# Altium PCB MAINBOARD_PCB.PcbDoc (part 3 of 5)
Units mm, origin at the board's own origin, x right, y up, seen from the top; angles counter-clockwise.
Board outline 480.55 x 38.8 mm, 4 copper layers (Top Layer, Int1 (GND), Int2 (PWR), Bottom Layer), stack 1.547 mm thick; 399 components, 366 nets, 1333 pads, 1063 vias.
Unrouted connection lines stored in the file: 46.
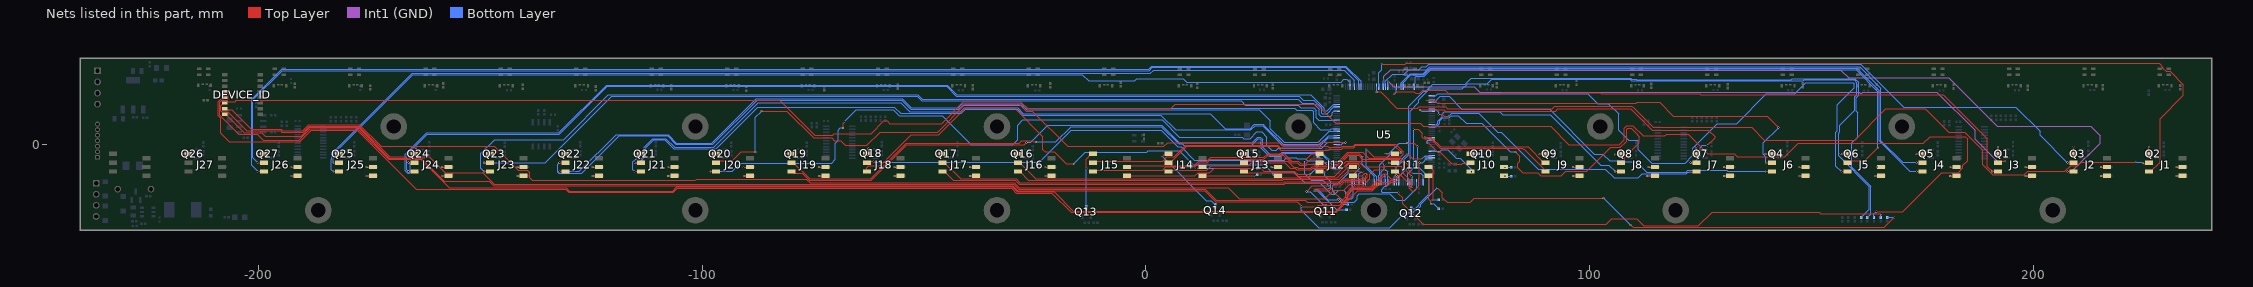
[diagram p5: the nets of this part, all layers, seen from the top]

## Via types
v1: diameter 0.4, hole 0.2, Top Layer to Bottom Layer, tented both sides, 1063 vias

## Nets (pads, with @x,y where several pads share a name; then routed paths per layer and width w, separated by ;. In a path a pad name is that pad's centre, name@x,y a point inside that pad or via, vN(x,y) a via of type N, cw(c..) or ccw(c..) an arc to the next point about the centre after c; other vN are vias at no path point) (continued)
NetDEVICE_ID_4: DEVICE_ID.4 R142.2 U5.48 | length 446
  Top Layer w0.15: DEVICE_ID.4@-207.706,11.833 -207.452,11.833 -206.871,11.252 -206.871,10.099 -207.096,9.874 -208.424,9.874 -208.841,9.457 -208.841,6.589 -204.527,2.275 -200.418,2.275 -199.042,0.9 -190.962,0.9 -188.362,3.5 -177.688,3.5 -170.758,-3.43 -163.466,-3.43 -157.071,-9.825 -130.747,-9.825 -130.022,-10.55 -106.7,-10.55 -105.77,-9.62 -30.179,-9.62 -29.074,-10.725 -20.725,-10.725 -16.375,-15.075 42.759,-15.075 45.619,-12.215 45.619,-11.33 46.766,-10.182 50.973,-10.182 52.57,-8.585 54.858,-8.585 55.318,-8.125 56.125,-8.125 v1(56.85,-7.4)
  Bottom Layer w0.2: U5.48@56.994,-8.519 56.994,-7.544 v1(56.85,-7.4) 59.525,-4.725 59.525,7.432 61.528,9.435 61.528,10.023 63.995,12.49 71.343,12.49 72.528,13.675 76.191,13.675 76.975,13.675 77.925,14.625 109.139,14.625 109.414,14.35 110.435,14.35 110.485,14.3 148.177,14.3 148.378,14.501 159.672,14.501 160.258,13.915 160.258,11.13 159.794,10.666 159.794,7.659 156.444,4.309 156.444,2.816 156.144,2.516 156.144,-2.603 163.094,-9.553 163.094,-14.6 161.219,-16.475 R142.2@161.219,-16.5
NetDEVICE_ID_5: DEVICE_ID.5 R141.2 U5.49 | length 446.1
  Top Layer w0.2: DEVICE_ID.5@-207.706,10.563 -207.987,10.282 -208.44,10.282 -209.141,9.581 -209.141,6.465 -208.55,5.874 -208.55,2.525 -206.625,0.6 -190.838,0.6 -188.238,3.2 -177.812,3.2 -164.487,-10.125 -130.871,-10.125 -130.146,-10.85 -106.576,-10.85 -105.646,-9.92 -30.303,-9.92 -29.198,-11.025 -21.225,-11.025 -16.875,-15.375 42.927,-15.375 47.777,-10.525 51.054,-10.525 52.694,-8.885 54.983,-8.885 55.318,-8.55 56.266,-8.55 57.25,-7.566 57.25,-7.234 57.016,-7 56.466,-7 v1(56.45,-7.016)
  Bottom Layer w0.2: U5.49@56.494,-8.519 56.454,-8.479 56.454,-7.704 56.45,-7.7 v1(56.45,-7.016) 56.45,-5.191 59.225,-2.416 59.225,8.613 62.575,11.963 63.043,11.963 64.656,13.575 72.004,13.575 73.354,14.925 109.264,14.925 109.539,14.65 110.559,14.65 110.609,14.6 145.497,14.6 145.698,14.801 159.802,14.801 160.633,13.97 160.633,11.081 160.094,10.542 160.094,7.466 160.444,7.116 160.444,1.601 159.161,0.318 159.161,-5.196 163.394,-9.429 163.394,-15.725 162.644,-16.475 R141.2@162.644,-16.5
NetDEVICE_ID_6: DEVICE_ID.6 R140.2 U5.50 | length 727.4
  Top Layer w0.2: v1(55.953,-7.225) 55.953,-7.491 55.618,-7.825 55.185,-7.825 54.009,-6.65 53.656,-6.65 50.681,-9.625 46.525,-9.625 45.601,-10.55 45.002,-11.149 45.002,-11.864 43.791,-13.075 36.405,-13.075 35.955,-12.625 15.884,-12.625 13.385,-10.125 -28.697,-10.125 -29.802,-9.02 -146.927,-9.02 -149.517,-6.43 -157.967,-6.43 -161.567,-2.83 -170.51,-2.83 -177.439,4.1 -188.61,4.1 -189.96,2.75 -194.816,2.75 -195.116,3.05 -202.704,3.05 -206.988,7.334 -208.316,7.334 -208.541,7.559 -208.541,8.712 -207.96,9.293 DEVICE_ID.6@-207.706,9.293 -207.425,9.574 -205.373,9.574 -205.073,9.874 -82.55,9.874 -74.701,2.025 -70.665,2.025 -70.34,2.35 -61.993,2.35 -59.073,5.271 -58.327,5.271 -57.719,4.663 -46.08,4.663 -41.167,9.575 -28.296,9.575 -26.796,8.075 5.654,8.075 6.649,9.07 38.44,9.07 42.784,4.725 61.818,4.725 62.518,4.025 91.209,4.025 95.359,-0.125 106.676,-0.125 107.769,0.967 107.769,3.639 108.355,4.225 109.78,4.225 112.117,1.888 116.979,1.888 117.391,2.3 122.253,2.3 126.653,-2.1 132.609,-2.1 133.33,-2.82 144.009,-2.82 147.029,0.2 175.201,0.2 176.751,1.75 184.717,1.75 185.252,1.216 185.252,-3.661 184.165,-4.748 184.165,-5.343 183.079,-6.43 179.408,-6.43 170.663,-15.175 v1(164.644,-15.175)
  Bottom Layer w0.2: U5.50@55.994,-8.519 v1@55.994,-7.295 ; R140.2@164.119,-16.5 164.119,-15.7 v1(164.644,-15.175)
NetDEVICE_ID_7: DEVICE_ID.7 R139.2 U5.53 | length 401.8
  Top Layer w0.2: DEVICE_ID.7@-207.706,8.023 -207.425,7.742 -206.142,7.742 -201.75,3.35 -194.992,3.35 -194.692,3.05 -190.085,3.05 -188.735,4.4 -177.315,4.4 -172.44,-0.475 -146.922,-0.475 -141.577,-5.82 -139.497,-5.82 -138.894,-6.423 -138.894,-7.578 -138.352,-8.12 -101.586,-8.12 -101.316,-7.85 -76.613,-7.85 -75.743,-8.72 -29.678,-8.72 -28.573,-9.825 18.526,-9.825 21.026,-12.325 40.337,-12.325 42.287,-10.375 44.591,-10.375 45.945,-9.02 49.221,-9.02 50.494,-7.747 50.494,-6.756 51.525,-5.725 v1(54.075,-5.725) ; v1@56.925,-10.85 56.925,-11.182 57.85,-12.107 57.85,-13.406 62.519,-18.075 103.758,-18.075 105.008,-16.825 110.656,-16.825 112.206,-18.375 124.528,-18.375 127.603,-15.3 151.759,-15.3 152.109,-15.65 v1(165.869,-15.65)
  Bottom Layer w0.15: v1(54.075,-5.725) 54.494,-6.144 U5.53@54.494,-8.519 54.494,-9.145 54.168,-9.471 53.836,-9.471 53.094,-10.213 53.094,-10.718 53.201,-10.825 v1(56.925,-10.825) ; R139.2@165.619,-16.5 165.673,-16.446 165.673,-15.9 165.869,-15.704 v1(165.869,-15.65)
NetDEVICE_ID_8: DEVICE_ID.8 R138.2 U5.54 | length 424.8
  Top Layer w0.15: DEVICE_ID.8@-207.706,6.753 -207.452,6.753 -203.274,2.575 -199.358,2.575 -198.608,1.825 -190.461,1.825 -188.486,3.8 -177.564,3.8 -170.634,-3.13 -163.342,-3.13 -158.186,-8.286 -148.085,-8.286 -147.051,-9.32 -30.055,-9.32 -28.95,-10.425 13.261,-10.425 15.76,-12.925 34.084,-12.925 35.002,-13.842 v1(35.002,-14.051) 38.524,-14.051 38.841,-13.734 43.675,-13.734 45.319,-12.091 45.319,-11.256 45.7,-10.875 46.65,-9.925 50.806,-9.925 53.681,-7.05 v1(53.844,-7.05) ; v1(65.686,-9.786) 66.801,-10.901 66.801,-12.023 67.878,-13.1 73.054,-13.1 74.027,-12.127 v1(103.152,-12.127) v1@103.2,-12.175 ; v1(109.225,-18.175) 109.8,-18.75 166.441,-18.75 v1(168.691,-16.5)
  Bottom Layer w0.2: v1(35.002,-14.051) 35.002,-14.908 38.904,-18.81 54.945,-18.81 58.369,-15.386 59.322,-15.386 59.413,-15.477 60.148,-15.477 60.75,-14.875 61.022,-14.875 61.925,-13.972 61.925,-13.547 v1(65.686,-9.786) ; v1(53.844,-7.05) 53.844,-7.104 53.994,-7.254 U5.54@53.994,-8.519 ; v1(103.152,-12.127) v1@109.137,-18.112 ; R138.2@167.069,-16.5 v1(168.691,-16.5)
NetJ1_1: J1.1 Q2.3 | length 3.1
  Top Layer w0.2: J1.1@226.104,-2.125 v1(226.104,-0.565)
  Bottom Layer w0.2: Q2.3@226.104,-2.125 v1(226.104,-0.565)
NetJ1_3: J1.3 U5.123 | length 192.8
  Top Layer w0.2: v1(51.994,11.8) 52.884,11.8 56.534,8.15 61.229,8.15 61.504,8.425 67.528,8.425 67.903,8.05 91.624,8.05 92.199,8.625 109.526,8.625 110.076,8.075 110.086,8.075 114.348,3.812 136.56,3.812 139.423,0.95 159.743,0.95 166.817,8.023 175.655,8.023 180.953,2.725 184.591,2.725 188.694,-1.378 188.694,-4.641 190.878,-6.825 198.028,-6.825 198.733,-6.12 207.183,-6.12 208.483,-4.82 210.088,-4.82 210.884,-4.025 v1@223.05,-4.025 ; v1(224.7,-4.2) 224.754,-4.2 224.929,-4.375 225.854,-4.375 J1.3@226.104,-4.125
  Bottom Layer w0.2: v1(51.994,11.8) U5.123@51.994,12.919 ; v1(223.125,-4) 224.446,-4 224.646,-4.2 v1(224.7,-4.2)
NetJ1_4: J1.4 R1.1 | length 2.8
  Top Layer w0.2: v1(232.294,-5.125) J1.4@233.704,-5.125
  Bottom Layer w0.2: v1(232.294,-5.125) R1.1@233.704,-5.125
NetJ1_5: J1.5 U5.124 | length 211.4
  Top Layer w0.2: v1(53.15,18.075) 58.428,18.075 58.628,18.275 228.383,18.275 229.275,17.383 229.275,17.175 230,16.45 230.908,16.45 233.9,13.458 233.9,11 228.625,5.725 228.625,-4.01 226.51,-6.125 J1.5@226.104,-6.125
  Bottom Layer w0.2: U5.124@52.494,12.919 52.494,16.144 53.15,16.8 v1(53.15,18.075)
NetJ1_6: J1.6 R4.1 | length 2.8
  Top Layer w0.2: v1(232.294,-7.125) J1.6@233.704,-7.125
  Bottom Layer w0.2: v1(232.294,-7.125) R4.1@233.704,-7.125
NetJ2_1: J2.1 Q3.3 | length 3.1
  Top Layer w0.2: J2.1@209.104,-2.125 v1(209.104,-0.565)
  Bottom Layer w0.2: Q3.3@209.104,-2.125 v1(209.104,-0.565)
NetJ2_3: J2.3 U5.127 | length 167.6
  Top Layer w0.2: v1(207.744,-4.125) J2.3@209.104,-4.125
  Bottom Layer w0.2: U5.127@53.994,12.919 53.994,14.184 55.609,15.8 58.183,15.8 59.208,16.825 60.027,16.825 60.052,16.851 61.544,16.851 62.168,17.475 63.187,17.475 63.737,18.026 161.131,18.026 170.782,8.375 196.075,8.375 201.553,2.897 201.553,2.066 v1(207.744,-4.125)
NetJ2_4: J2.4 R2.1 | length 2.8
  Top Layer w0.2: v1(215.294,-5.125) J2.4@216.704,-5.125
  Bottom Layer w0.2: v1(215.294,-5.125) R2.1@216.704,-5.125
NetJ2_5: J2.5 U5.126 | length 183.8
  Top Layer w0.2: v1(207.744,-6.125) J2.5@209.104,-6.125
  Int1 (GND) w0.2: v1(53.594,14.475) 53.594,15.294 55.126,16.826 75.149,16.826 75.3,16.675 94.152,16.675 94.209,16.733 156.621,16.733 158.379,14.975 180.95,14.975 191.9,4.025 213,4.025 215.1,1.925 215.1,0.281 208.694,-6.125 v1(207.744,-6.125)
  Bottom Layer w0.2: U5.126@53.494,12.919 53.494,14.321 53.594,14.421 v1(53.594,14.475)
NetJ2_6: J2.6 R6.1 | length 2.8
  Top Layer w0.2: v1(215.294,-7.125) J2.6@216.704,-7.125
  Bottom Layer w0.2: v1(215.294,-7.125) R6.1@216.704,-7.125
NetJ3_1: J3.1 Q1.3 | length 3.1
  Top Layer w0.2: J3.1@192.104,-2.125 v1(192.104,-0.565)
  Bottom Layer w0.2: Q1.3@192.104,-2.125 v1(192.104,-0.565)
NetJ3_3: J3.3 U5.128 | length 151.2
  Top Layer w0.2: J3.3@192.104,-4.125 192.51,-4.125 192.906,-3.73 192.906,-3.85 v1(193.675,-3.85)
  Int1 (GND) w0.2: v1(54.575,14.2) 55.807,12.968 74.007,12.968 75.2,11.775 160.75,11.775 160.75,11.734 160.984,11.5 161.316,11.5 161.55,11.734 161.55,11.775 178.275,11.775 186.925,3.125 186.925,1.131 191.906,-3.85 v1(193.675,-3.85)
  Bottom Layer w0.2: U5.128@54.494,12.919 54.494,14.119 v1(54.575,14.2)
NetJ3_4: J3.4 R3.1 | length 2.8
  Top Layer w0.2: v1(198.294,-5.125) J3.4@199.704,-5.125
  Bottom Layer w0.2: v1(198.294,-5.125) R3.1@199.704,-5.125
NetJ3_5: J3.5 U5.132 | length 150.3
  Top Layer w0.2: v1(55.919,11.275) 56.506,11.862 60.401,11.862 60.763,11.501 61.733,11.501 62.382,12.15 67.474,12.15 68.285,11.339 79.893,11.339 80.179,11.625 102.465,11.625 102.69,11.4 124.816,11.4 125.016,11.2 179.784,11.2 189.694,1.291 189.694,-5.075 v1(190.744,-6.125) J3.5@192.104,-6.125
  Bottom Layer w0.2: v1(55.919,11.275) 56.472,11.828 56.472,12.897 U5.132@56.494,12.919
NetJ3_6: J3.6 R8.1 | length 2.8
  Top Layer w0.2: v1(198.294,-7.125) J3.6@199.704,-7.125
  Bottom Layer w0.2: v1(198.294,-7.125) R8.1@199.704,-7.125
NetJ4_1: J4.1 Q5.3 | length 3.1
  Top Layer w0.2: v1(173.544,-2.125) J4.1@175.104,-2.125
  Bottom Layer w0.2: v1(173.544,-2.125) Q5.3@175.104,-2.125
NetJ4_3: J4.3 U5.134 | length 135.8
  Top Layer w0.2: v1(173.744,-4.125) J4.3@175.104,-4.125
  Bottom Layer w0.2: U5.134@57.494,12.919 57.494,13.832 59.587,15.925 60.662,15.925 60.687,15.95 62.51,15.95 63.986,17.426 160.883,17.426 165.675,12.634 165.675,0.849 170.611,-4.087 173.705,-4.087 v1(173.744,-4.125)
NetJ4_4: J4.4 R13.1 | length 2.8
  Top Layer w0.2: v1(181.294,-5.125) J4.4@182.704,-5.125
  Bottom Layer w0.2: v1(181.294,-5.125) R13.1@182.704,-5.125
NetJ4_5: J4.5 U5.135 | length 135.6
  Top Layer w0.2: v1(173.744,-6.125) J4.5@175.104,-6.125
  Bottom Layer w0.2: U5.135@57.994,12.919 57.994,13.908 59.711,15.625 60.787,15.625 60.812,15.65 62.634,15.65 64.11,17.126 160.214,17.126 165.325,12.015 165.325,0.775 172.225,-6.125 v1(173.744,-6.125)
NetJ4_6: J4.6 R16.1 | length 3
  Top Layer w0.2: v1(181.234,-7.175) 182.653,-7.175 J4.6@182.704,-7.125
  Bottom Layer w0.2: v1(181.234,-7.175) 181.259,-7.15 182.679,-7.15 R16.1@182.704,-7.125
NetJ5_1: J5.1 Q6.3 | length 3.1
  Top Layer w0.2: v1(156.544,-2.125) J5.1@158.104,-2.125
  Bottom Layer w0.2: v1(156.544,-2.125) Q6.3@158.104,-2.125
NetJ5_3: J5.3 U5.140 | length 130.3
  Top Layer w0.2: J5.3@158.104,-4.125 158.499,-3.73 162.095,-3.73 v1(165.025,-0.8)
  Bottom Layer w0.2: U5.140@60.494,12.919 60.494,13.516 60.515,13.537 60.515,13.703 60.696,13.884 60.696,15.11 60.936,15.35 62.759,15.35 64.234,16.826 160.09,16.826 165.025,11.891 v1(165.025,-0.8)
NetJ5_4: J5.4 R14.1 | length 1.6
  Top Layer w0.2: v1(164.883,-5.125) J5.4@165.704,-5.125
  Bottom Layer w0.2: v1(164.883,-5.125) R14.1@165.704,-5.125
NetJ5_5: J5.5 U5.1 | length 137.1
  Top Layer w0.2: v1(156.744,-6.125) J5.5@158.104,-6.125
  Bottom Layer w0.2: U5.1@64.463,10.95 65.305,10.95 65.784,11.429 99.58,11.429 101.834,9.175 104.225,9.175 106.525,6.875 106.525,3.206 108.831,0.9 110.827,0.9 110.969,0.758 110.969,-1.216 114.003,-4.25 121.534,-4.25 123.256,-2.528 123.256,-0.847 128.778,4.675 133.129,4.675 139.879,11.425 146.238,11.425 148.714,13.901 159.423,13.901 159.658,13.666 159.658,12.775 155.819,8.936 155.819,3.039 155.544,2.764 155.544,-4.925 v1(156.744,-6.125)
NetJ5_6: J5.6 R18.1 | length 2.8
  Top Layer w0.2: v1(164.294,-7.125) J5.6@165.704,-7.125
  Bottom Layer w0.2: v1(164.294,-7.125) R18.1@165.704,-7.125
NetJ6_1: J6.1 Q4.3 | length 3.1
  Top Layer w0.2: v1(139.544,-2.125) J6.1@141.104,-2.125
  Bottom Layer w0.2: v1(139.544,-2.125) Q4.3@141.104,-2.125
NetJ6_3: J6.3 U5.3 | length 94.2
  Top Layer w0.2: v1(63.294,9.95) 64.955,9.95 65.68,9.225 110.509,9.225 110.734,9.45 115.8,9.45 118.913,6.337 140.063,6.337 v1(142.625,3.775) ; v1(139.744,-4.125) J6.3@141.104,-4.125
  Bottom Layer w0.2: v1(63.294,9.95) U5.3@64.463,9.95 ; v1(139.744,-4.125) 139.744,-2.891 139.144,-2.291 139.144,0.294 v1(142.625,3.775)
NetJ6_4: J6.4 R15.1 | length 2.8
  Top Layer w0.2: v1(147.294,-5.125) J6.4@148.704,-5.125
  Bottom Layer w0.2: v1(147.294,-5.125) R15.1@148.704,-5.125
NetJ6_5: J6.5 U5.4 | length 84.7
  Top Layer w0.2: v1(139.744,-6.125) J6.5@141.104,-6.125
  Bottom Layer w0.2: U5.4@64.463,9.45 65.233,9.45 65.453,9.67 65.453,9.953 66.3,10.8 68.32,10.8 71.22,7.9 90.999,7.9 101.099,-2.2 102.971,-2.2 104.496,-3.725 107.765,-3.725 107.923,-3.883 110.508,-3.883 112.9,-6.275 121.742,-6.275 122.117,-5.9 130.959,-5.9 131.184,-6.125 v1(139.744,-6.125)
NetJ6_6: J6.6 R20.1 | length 2.8
  Top Layer w0.2: v1(147.294,-7.125) J6.6@148.704,-7.125
  Bottom Layer w0.2: v1(147.294,-7.125) R20.1@148.704,-7.125
NetJ7_1: J7.1 Q7.3 | length 3.1
  Top Layer w0.2: J7.1@124.104,-2.125 v1(124.104,-0.565)
  Bottom Layer w0.2: Q7.3@124.104,-2.125 v1(124.104,-0.565)
NetJ7_3: J7.3 U5.8 | length 82.9
  Top Layer w0.2: v1(61.794,7.725) 61.819,7.75 67.214,7.75 67.514,7.45 92.325,7.45 92.875,8 109.302,8 109.827,7.475 109.837,7.475 114.1,3.213 126.806,3.213 128.294,1.725 128.294,1.494 v1(126.525,-0.275) ; v1(122.744,-4.125) J7.3@124.104,-4.125
  Bottom Layer w0.2: v1(61.794,7.725) 61.848,7.725 62.123,7.45 U5.8@64.463,7.45 ; v1(122.744,-4.125) 123.523,-4.125 124.952,-2.696 124.952,-1.749 124.9,-1.697 124.9,-0.75 125.375,-0.275 v1(126.525,-0.275)
NetJ7_4: J7.4 R25.1 | length 2.8
  Top Layer w0.2: v1(130.294,-5.125) J7.4@131.704,-5.125
  Bottom Layer w0.2: v1(130.294,-5.125) R25.1@131.704,-5.125
NetJ7_5: J7.5 U5.7 | length 68.1
  Top Layer w0.2: v1(65.969,6.664) 66.055,6.75 66.834,6.75 67.209,6.375 v1(68.25,6.375) ; v1(122.619,-6.3) 123.929,-6.3 J7.5@124.104,-6.125
  Bottom Layer w0.2: U5.7@63.877,7.95 U5.7@64.463,7.95 65.2,7.95 65.969,7.181 v1(65.969,6.664) ; v1(68.25,6.375) 68.875,7 75.059,7 79.309,2.75 80.125,2.75 88.475,-5.6 103.575,-5.6 105.55,-7.575 110.937,-7.575 111.862,-6.65 121.791,-6.65 122.119,-6.323 122.596,-6.323 v1(122.619,-6.3)
NetJ7_6: J7.6 R28.1 | length 2.8
  Top Layer w0.2: v1(130.294,-7.125) J7.6@131.704,-7.125
  Bottom Layer w0.2: v1(130.294,-7.125) R28.1@131.704,-7.125
NetJ8_1: J8.1 Q8.3 | length 3.5
  Top Layer w0.2: v1(105.697,-2.3) 106.929,-2.3 J8.1@107.104,-2.125 J8.1@106.709,-1.73
  Bottom Layer w0.2: v1(105.697,-2.3) 105.735,-2.262 106.967,-2.262 Q8.3@107.104,-2.125
NetJ8_3: J8.3 U5.15 | length 70.6
  Top Layer w0.2: v1(83.275,-1.725) 84.269,-2.719 84.269,-3.831 83.789,-4.311 83.789,-5.311 84.931,-6.453 88.328,-6.453 88.995,-7.12 93.592,-7.12 94.583,-6.13 99.323,-6.13 104.727,-0.725 106.925,-0.725 108.369,0.719 108.369,3.391 108.603,3.625 109.371,3.625 110.88,2.116 110.88,2.082 111.25,1.712 111.25,0.341 107.906,-3.003 107.906,-3.73 107.51,-4.125 J8.3@107.104,-4.125
  Bottom Layer w0.2: U5.15@64.463,3.95 65.455,3.95 66.25,4.745 66.25,5.275 66.95,5.975 68.416,5.975 68.916,6.475 70.375,6.475 72.15,4.7 75.65,4.7 82.075,-1.725 v1(83.275,-1.725)
NetJ8_4: J8.4 R26.1 | length 2.8
  Top Layer w0.2: v1(113.294,-5.125) J8.4@114.704,-5.125
  Bottom Layer w0.2: v1(113.294,-5.125) R26.1@114.704,-5.125
NetJ8_5: J8.5 U5.14 | length 50
  Top Layer w0.2: v1(105.744,-6.125) J8.5@107.104,-6.125
  Bottom Layer w0.2: U5.14@64.463,4.45 65.49,4.45 65.782,4.743 65.782,5.232 66.75,6.2 66.75,6.81 67.24,7.3 79.79,7.3 80.415,6.675 91.175,6.675 102.525,-4.675 104.294,-4.675 v1(105.744,-6.125)
NetJ8_6: J8.6 R30.1 | length 3.5
  Top Layer w0.2: v1(112.95,-7.15) 114.679,-7.15 J8.6@114.704,-7.125
  Bottom Layer w0.2: v1(112.95,-7.15) 114.679,-7.15 R30.1@114.704,-7.125
NetJ9_1: J9.1 Q9.3 | length 3.1
  Top Layer w0.2: v1(88.544,-2.125) J9.1@90.104,-2.125
  Bottom Layer w0.2: v1(88.544,-2.125) Q9.3@90.104,-2.125
NetJ9_3: J9.3 U5.20 | length 31.5
  Top Layer w0.2: v1@62.775,1.625 v1(62.853,1.625) 64.198,1.625 66.424,-0.6 86.172,-0.6 89.697,-4.125 J9.3@90.104,-4.125
  Bottom Layer w0.2: v1(62.853,1.625) 62.829,1.625 62.792,1.588 62.931,1.45 U5.20@64.463,1.45
NetJ9_4: J9.4 R27.1 | length 2.8
  Top Layer w0.2: v1(96.294,-5.125) J9.4@97.704,-5.125
  Bottom Layer w0.2: v1(96.294,-5.125) R27.1@97.704,-5.125
NetJ9_5: J9.5 U5.44 | length 46.7
  Top Layer w0.2: v1(60.35,3.325) 60.427,3.402 61.389,3.402 62.278,2.513 62.278,1.624 62.677,1.225 64.174,1.225 66.299,-0.9 84.879,-0.9 85.088,-1.109 85.229,-1.109 90.104,-5.984 J9.5@90.104,-6.125
  Bottom Layer w0.2: U5.44@58.994,-8.519 58.994,-6.599 60.35,-5.243 v1(60.35,3.325)
NetJ9_6: J9.6 R32.1 | length 2.8
  Top Layer w0.2: v1(96.294,-7.125) J9.6@97.704,-7.125
  Bottom Layer w0.2: v1(96.294,-7.125) R32.1@97.704,-7.125
NetJ10_1: J10.1 Q10.3 | length 1.6
  Bottom Layer w0.2: v1(73.219,-2.2) 73.256,-2.162 74.741,-2.162 Q10.3@74.779,-2.125
NetJ10_3: J10.3 U5.21 | length 13.5
  Top Layer w0.2: v1(63.375,0.375) 63.578,0.375 65.747,-1.794 66.385,-1.794 68.941,-4.35 69.95,-4.35 70.1,-4.5 71.15,-4.5 71.384,-4.266 72.963,-4.266 J10.3@73.104,-4.125
  Bottom Layer w0.2: v1(63.375,0.375) 63.375,0.825 63.5,0.95 U5.21@64.463,0.95
NetJ10_4: J10.4 R37.1 | length 1.4
  Bottom Layer w0.2: v1(80.969,-5.2) R37.1@82.379,-5.2
NetJ10_5: J10.5 U5.26 | length 11.5
  Bottom Layer w0.2: U5.26@64.45,-1.562 U5.26@64.463,-1.55 66.346,-1.55 66.696,-1.2 67.982,-1.2 69.957,-3.175 70.901,-3.175 73.419,-5.693 v1(73.419,-6.2)
NetJ10_6: J10.6 R40.1 | length 1.4
  Bottom Layer w0.2: v1(80.969,-7.2) R40.1@82.379,-7.2
NetJ11_1: J11.1 Q12.3 | length 28.6
  Top Layer w0.2: v1(53.95,-1.997) 54.078,-2.125 J11.1@56.104,-2.125 ; v1(58.825,0.275) 60.488,0.275 v1(61.225,-0.462)
  Bottom Layer w0.2: v1(53.95,-1.997) 54.823,-1.997 57.094,0.275 v1(58.825,0.275) ; Q12.3@59.775,-14.629 59.775,-14.275 59.789,-14.275 60.014,-14.5 60.741,-14.5 61.625,-13.616 61.625,-13.423 63.875,-11.173 63.875,-7.577 61.225,-4.927 v1(61.225,-0.462)
NetJ11_3: J11.3 U5.28 | length 12.6
  Top Layer w0.2: v1(54.75,-4.125) J11.3@56.104,-4.125 ; v1(58.825,-2.25) 58.95,-2.25 59.1,-2.25 60.125,-3.275 v1(62.175,-3.275)
  Bottom Layer w0.2: v1(54.75,-4.125) 56.95,-4.125 v1(58.825,-2.25) ; v1(62.175,-3.275) 62.9,-2.55 U5.28@64.463,-2.55
NetJ11_4: J11.4 R38.1 | length 9.7
  Top Layer w0.2: J11.4@63.704,-5.125 64.11,-5.125 64.806,-5.82 64.806,-12.234 64.544,-12.496 v1(64.544,-12.55)
  Bottom Layer w0.2: v1(64.544,-12.55) R38.1@66.029,-12.55
NetJ11_5: J11.5 U5.29 | length 16.9
  Top Layer w0.2: J11.5@56.104,-6.125 56.569,-6.125 56.694,-6.25 56.694,-6.309 56.906,-6.52 56.96,-6.52 59.394,-8.954 59.394,-9.884 60.059,-10.55 60.426,-10.55 61.494,-9.482 61.494,-7.772 61.628,-7.638 61.628,-6.8 61.65,-6.778 v1(61.65,-4.125)
  Bottom Layer w0.2: v1(61.65,-4.125) 62.375,-4.125 63.45,-3.05 U5.29@64.463,-3.05
NetJ11_6: J11.6 R42.1 | length 8.2
  Top Layer w0.2: 63.8,-7.625 63.8,-12.372 64.25,-12.822 v1(64.25,-13.425)
  Bottom Layer w0.2: v1(64.25,-13.425) 64.904,-13.425 R42.1@66.029,-14.55
NetJ12_1: J12.1 Q11.3 | length 24.7
  Top Layer w0.2: v1(35.8,-3.7) 37.375,-2.125 J12.1@39.104,-2.125 ; v1(36.2,-10.675) 37.475,-9.4 v1(41.2,-9.4)
  Bottom Layer w0.2: v1(35.8,-3.7) 35.8,-6.59 37.267,-8.057 39.857,-8.057 v1(41.2,-9.4) ; v1(36.2,-10.675) 36.978,-10.675 Q11.3@40.501,-14.198
NetJ12_3: J12.3 U5.37 | length 28.8
  Top Layer w0.2: J12.3@39.51,-4.125 39.755,-3.88 39.9,-4.025 43.222,-4.025 45.49,-1.757 48.862,-1.757 50.235,-3.13 57.47,-3.13 59.225,-4.884 59.225,-5.804 59.921,-6.5 v1@59.975,-6.5
  Bottom Layer w0.2: v1(60,-6.525) 61.975,-6.525 62.494,-7.044 U5.37@62.494,-8.519 U5.37@62.494,-9.116
NetJ12_4: J12.4 R39.1 | length 13.2
  Top Layer w0.2: v1(42.377,-10.851) 43.625,-12.098 v1(43.625,-12.675) ; v1(45.625,-5.306) 46.523,-5.306 J12.4@46.704,-5.125
  Bottom Layer w0.15: v1(42.377,-10.851) 42.135,-10.608 42.135,-9.388 42.605,-8.918 43.225,-8.918 45.625,-6.518 v1(45.625,-5.306) ; v1(43.625,-12.675) 44.525,-13.575 R39.1@45.516,-13.575
NetJ12_5: J12.5 U5.40 | length 38.2
  Top Layer w0.2: v1(37.927,-10.025) 41.168,-10.025 41.294,-9.9 v1(41.348,-9.9) ; J12.5@39.104,-6.125 39.354,-5.875 39.703,-6.225 v1(40.3,-6.225)
  Bottom Layer w0.15: v1(37.927,-10.025) 38.027,-10.126 38.118,-10.126 38.142,-10.15 38.726,-10.15 41.026,-12.451 43.081,-12.451 43.331,-12.2 43.743,-12.2 44.658,-13.115 46.899,-13.115 47.65,-12.364 47.65,-11.594 48.119,-11.125 54.989,-11.125 56.439,-12.576 58.315,-12.576 60.994,-9.897 U5.40@60.994,-8.519 ; v1(40.3,-6.225) 40.3,-7.125 41.6,-8.425 41.6,-9.648 v1(41.348,-9.9)
NetJ12_6: J12.6 R44.1 | length 26.7
  Top Layer w0.2: v1(37.952,-10.526) 41.288,-10.526 42.102,-9.711 42.102,-9.486 42.512,-9.075 44.086,-9.075 44.741,-8.42 48.957,-8.42 49.894,-7.483 49.894,-6.709 49.659,-6.475 49.328,-6.475 48.703,-7.1 46.728,-7.1 J12.6@46.704,-7.125
  Bottom Layer w0.2: v1(37.952,-10.526) 38.002,-10.475 38.625,-10.475 42.95,-14.8 R44.1@45.2,-14.8
NetJ13_1: J13.1 Q15.3 | length 3.1
  Top Layer w0.2: v1(20.584,-2.159) 22.07,-2.159 J13.1@22.104,-2.125
  Bottom Layer w0.2: v1(20.584,-2.159) Q15.3@22.144,-2.159
NetJ13_3: J13.3 U5.42 | length 43.7
  Top Layer w0.2: J13.3@22.104,-4.125 22.399,-3.83 31.947,-3.83 33.268,-5.15 34.126,-5.15 34.351,-5.375 37.176,-5.375 37.43,-5.12 42.975,-5.12 45.666,-2.43 47.948,-2.43 48.4,-2.882 48.4,-2.991 48.839,-3.43 57.088,-3.43 58.099,-4.441 58.099,-5.447 v1(59.878,-7.225)
  Bottom Layer w0.2: v1(59.878,-7.225) 59.878,-7.279 59.994,-7.395 U5.42@59.994,-8.519
NetJ13_4: J13.4 R49.1 | length 2.8
  Top Layer w0.2: v1(28.294,-5.125) J13.4@29.704,-5.125
  Bottom Layer w0.2: v1@28.333,-5.125 R49.1@29.704,-5.125
NetJ13_5: J13.5 U5.43 | length 44.9
  Top Layer w0.2: J13.5@22.104,-6.125 22.354,-6.375 33.339,-6.375 34.163,-7.2 42.525,-7.2 45.595,-4.13 48.204,-4.13 49.1,-5.025 53.916,-5.025 54.016,-4.925 57.525,-4.925 57.799,-5.199 57.799,-6.349 59.9,-8.45 v1(59.9,-9.825)
  Bottom Layer w0.2: U5.43@59.494,-8.519 59.494,-9.419 v1(59.9,-9.825)
NetJ13_6: J13.6 R52.1 | length 2.6
  Top Layer w0.2: v1(28.601,-6.775) 29.354,-6.775 J13.6@29.704,-7.125
  Bottom Layer w0.2: v1(28.601,-6.775) 28.601,-6.829 28.854,-7.082 28.854,-7.125 R52.1@29.704,-7.125
NetJ14_1: J14.1 Q14.3 | length 18.6
  Top Layer w0.2: v1(3.675,-2.675) 4.029,-2.321 4.907,-2.321 J14.1@5.104,-2.125 J14.1@5.51,-2.125
  Bottom Layer w0.2: v1@3.65,-2.725 13.625,-12.7 14.669,-12.7 15.306,-13.337 15.439,-13.337 15.619,-13.517 Q14.3@15.619,-13.65
NetJ14_3: J14.3 U5.57 | length 65.3
  Top Layer w0.2: J14.3@5.104,-4.125 5.51,-4.125 9.135,-0.5 29.575,-0.5 30.375,-1.3 41.047,-1.3 41.272,-1.075 44.112,-1.075 44.412,-0.775 46.816,-0.775 47.341,-0.25 55.909,-0.25 57.494,-1.835 v1(57.494,-1.871)
  Bottom Layer w0.2: U5.57@52.494,-8.519 52.494,-7.012 52.654,-6.852 52.654,-4.59 55.373,-1.871 v1(57.494,-1.871)
NetJ14_4: J14.4 R50.1 | length 15.2
  Top Layer w0.2: v1(11.35,-5.4) 12.429,-5.4 J14.4@12.704,-5.125
  Bottom Layer w0.2: v1(11.35,-5.4) 11.375,-5.425 R50.1@25.044,-5.425
NetJ14_5: J14.5 U5.56 | length 55.5
  Top Layer w0.2: J14.5@5.104,-6.125 5.409,-5.82 13.688,-5.82 14.688,-4.82 23.088,-4.82 23.779,-4.13 31.232,-4.13 32.552,-5.45 33.686,-5.45 34.011,-5.775 37.2,-5.775 37.545,-5.43 43.53,-5.43 45.134,-3.825 52.95,-3.825 v1(53.75,-4.625)
  Bottom Layer w0.2: U5.56@52.994,-8.519 52.994,-6.241 53.75,-5.484 v1(53.75,-4.625)
NetJ14_6: J14.6 R54.1 | length 12.5
  Top Layer w0.2: J14.6@12.704,-7.125 v1@24.506,-7.125
  Bottom Layer w0.2: v1(24.506,-7.087) 24.56,-7.087 24.623,-7.025 24.869,-7.025 R54.1@25.044,-6.85 R54.1@25.069,-6.85
NetJ15_1: J15.1 Q13.3 | length 13.2
  Top Layer w0.2: v1(-13.35,-5.4) -13.5,-5.25 -13.5,-3.322 -12.303,-2.125 J15.1@-11.896,-2.125
  Bottom Layer w0.2: Q13.3@-13.431,-14.285 -13.431,-5.481 v1(-13.35,-5.4)
NetJ15_3: J15.3 U5.58 | length 91.2
  Top Layer w0.2: J15.3@-11.896,-4.125 -11.591,-3.82 3.729,-3.82 4.729,-2.82 6.391,-2.82 9.011,-0.2 29.699,-0.2 30.274,-0.775 39.099,-0.775 39.399,-0.475 40.984,-0.475 41.209,-0.7 44.063,-0.7 44.288,-0.475 46.692,-0.475 47.217,0.05 56.25,0.05 57.975,-1.675 57.975,-2.225 57.38,-2.82 51.32,-2.82 v1(49.625,-1.125)
  Bottom Layer w0.2: v1(49.625,-1.125) 49.625,-4.908 51.994,-7.277 U5.58@51.994,-8.519
NetJ15_4: J15.4 R51.1 | length 47.6
  Top Layer w0.2: J15.4@-4.296,-5.125 -3.991,-4.82 10.904,-4.82 11.904,-3.82 13.688,-3.82 14.559,-2.95 26.584,-2.95 27.405,-2.13 31.155,-2.13 32.9,-3.875 34.275,-3.875 34.833,-4.433 36.057,-4.433 37.215,-3.275 v1(39.627,-3.275)
  Bottom Layer w0.2: R51.1@38.769,-2.85 38.944,-3.025 39.323,-3.025 39.573,-3.275 v1(39.627,-3.275)
NetJ15_5: J15.5 U5.59 | length 71.6
  Top Layer w0.2: J15.5@-11.896,-6.125 -11.591,-5.82 3.729,-5.82 4.429,-5.12 11.029,-5.12 12.029,-4.12 13.813,-4.12 14.503,-3.43 26.529,-3.43 27.529,-2.43 30.972,-2.43 32.717,-4.175 34.141,-4.175 34.699,-4.733 36.181,-4.733 36.389,-4.525 37.824,-4.525 38.119,-4.82 42.851,-4.82 45.546,-2.125 48.1,-2.125 v1(48.8,-2.825)
  Bottom Layer w0.2: v1(48.8,-2.825) 48.8,-4.507 51.494,-7.201 U5.59@51.494,-8.519
NetJ15_6: J15.6 R56.1 | length 45.6
  Top Layer w0.2: J15.6@-4.296,-7.125 -4.291,-7.12 11.029,-7.12 11.729,-6.42 14.358,-6.42 15.349,-5.43 25.934,-5.43 26.579,-6.075 33.463,-6.075 34.188,-6.8 v1(37,-6.8)
  Bottom Layer w0.2: v1(37,-6.8) 38.569,-5.231 38.569,-4.681 R56.1@38.725,-4.525
NetJ16_1: J16.1 Q16.3 | length 3.1
  Top Layer w0.2: v1(-30.456,-2.125) J16.1@-28.896,-2.125
  Bottom Layer w0.2: v1(-30.456,-2.125) Q16.3@-28.896,-2.125
NetJ16_3: J16.3 U5.68 | length 84.6
  Top Layer w0.2: J16.3@-28.896,-4.125 -28.49,-4.125 -24.815,-7.8 -22.301,-7.8 -22.281,-7.82 -20.312,-7.82 -20.291,-7.8 -5.301,-7.8 -5.281,-7.82 -3.312,-7.82 -3.291,-7.8 11.699,-7.8 11.719,-7.82 30.688,-7.82 30.933,-7.575 43.159,-7.575 45.175,-5.559 45.175,-4.974 45.719,-4.43 47.688,-4.43 48.125,-4.866 v1(48.125,-5.275)
  Bottom Layer w0.2: U5.68@46.994,-8.519 46.994,-6.684 48.125,-5.553 v1(48.125,-5.275)
NetJ16_4: J16.4 R61.1 | length 2.8
  Top Layer w0.2: v1(-22.706,-5.125) J16.4@-21.296,-5.125
  Bottom Layer w0.2: v1(-22.706,-5.125) R61.1@-21.296,-5.125
NetJ16_5: J16.5 U5.66 | length 82.6
  Top Layer w0.2: J16.5@-28.896,-6.125 -28.49,-6.125 -26.515,-8.1 -22.425,-8.1 -22.405,-8.12 -20.187,-8.12 -20.167,-8.1 -5.425,-8.1 -5.405,-8.12 -3.187,-8.12 -3.167,-8.1 11.575,-8.1 11.595,-8.12 30.813,-8.12 31.057,-7.875 43.589,-7.875 45.545,-5.92 47.849,-5.92 48.129,-6.2 v1(48.875,-6.2)
  Bottom Layer w0.2: U5.66@47.994,-8.519 47.994,-6.668 48.362,-6.3 48.775,-6.3 v1(48.875,-6.2)
NetJ16_6: J16.6 R64.1 | length 2.8
  Top Layer w0.2: v1(-22.706,-7.125) J16.6@-21.296,-7.125
  Bottom Layer w0.2: v1(-22.706,-7.125) R64.1@-21.296,-7.125
NetJ17_1: J17.1 Q17.3 | length 3.2
  Top Layer w0.2: v1(-47.456,-2.125) J17.1@-45.896,-2.125
  Bottom Layer w0.2: v1(-47.456,-2.125) Q17.3@-45.864,-2.125
NetJ17_3: J17.3 U5.64 | length 98.4
  Top Layer w0.2: J17.3@-45.896,-4.125 -45.49,-4.125 -41.794,-7.82 -29.305,-7.82 -28.425,-8.7 -22.674,-8.7 -22.654,-8.72 -19.939,-8.72 -19.919,-8.7 -5.674,-8.7 -5.654,-8.72 -2.939,-8.72 -2.919,-8.7 11.326,-8.7 11.346,-8.72 31.061,-8.72 31.306,-8.475 43.838,-8.475 44.493,-7.82 45.719,-7.82 48.565,-7.82 48.944,-7.441 v1(48.944,-7.425)
  Bottom Layer w0.2: v1(48.944,-7.425) 48.986,-7.466 48.986,-8.511 U5.64@48.994,-8.519
NetJ17_4: J17.4 R62.1 | length 2.8
  Top Layer w0.2: v1(-39.706,-5.125) J17.4@-38.296,-5.125
  Bottom Layer w0.2: v1(-39.706,-5.125) R62.1@-38.296,-5.125
NetJ17_5: J17.5 U5.63 | length 99.5
  Top Layer w0.2: J17.5@-45.896,-6.125 -45.49,-6.125 -43.494,-8.12 -29.429,-8.12 -28.55,-9 -22.798,-9 -22.778,-9.02 -19.815,-9.02 -19.794,-9 -5.798,-9 -5.778,-9.02 -2.815,-9.02 -2.794,-9 11.202,-9 11.222,-9.02 31.185,-9.02 31.43,-8.775 43.962,-8.775 44.617,-8.12 48.815,-8.12 49.494,-7.442 v1(49.494,-6.875)
  Bottom Layer w0.2: U5.63@49.494,-8.519 v1(49.494,-6.875)
NetJ17_6: J17.6 R66.1 | length 2.8
  Top Layer w0.2: v1(-39.706,-7.125) J17.6@-38.296,-7.125
  Bottom Layer w0.2: v1(-39.706,-7.125) R66.1@-38.296,-7.125
NetJ18_1: J18.1 Q18.3 | length 2.7
  Top Layer w0.2: J18.1@-62.896,-2.125 -62.581,-1.81 v1(-62.581,-0.925)
  Bottom Layer w0.2: Q18.3@-62.921,-2.075 -62.761,-2.075 -62.581,-1.896 v1(-62.581,-0.925)
NetJ18_3: J18.3 U5.75 | length 113.1
  Top Layer w0.2: J18.3@-62.896,-4.125 -62.646,-3.875 v1(-61.375,-3.875)
  Bottom Layer w0.2: v1(-61.375,-3.875) -61.2,-4.05 -47.426,-4.05 -47.376,-4.1 -24.074,-4.1 -16.849,3.125 3.45,3.125 7.175,-0.6 7.904,-0.6 10.893,-3.589 31.154,-3.589 31.667,-3.075 33.875,-3.075 34.1,-3.3 35.966,-3.3 36.34,-3.675 39.849,-3.675 41.724,-5.55 U5.75@43.025,-5.55
NetJ18_4: J18.4 R63.1 | length 2.8
  Top Layer w0.2: v1(-56.706,-5.125) J18.4@-55.296,-5.125
  Bottom Layer w0.2: v1(-56.706,-5.125) R63.1@-55.296,-5.125
NetJ18_5: J18.5 U5.69 | length 133.9
  Top Layer w0.2: J18.5@-62.896,-6.125 -62.952,-6.07 -62.952,-5.302 -62.47,-4.82 -59.944,-4.82 -52.974,2.15 -46.752,2.15 -40.677,8.225 -29.716,8.225 -23.231,1.741 -23.231,-1.25 -22.756,-1.725 -20.641,-1.725 -17.941,-4.425 v1(-16.275,-4.425)
  Bottom Layer w0.15: v1(-16.275,-4.425) -13.7,-1.85 -13.7,-1.8 0.2,-1.8 0.5,-1.5 7.531,-1.5 10.681,-4.65 26.71,-4.65 28.26,-6.2 33.225,-6.2 35.75,-8.725 39.183,-8.725 41.708,-11.251 42.583,-11.251 43.434,-10.4 44.566,-10.4 45.002,-10.836 45.002,-11.991 45.286,-12.275 46.43,-12.275 46.733,-11.972 46.733,-9.756 46.494,-9.517 U5.69@46.494,-8.519
NetJ18_6: J18.6 R68.1 | length 2.8
  Top Layer w0.2: v1(-56.706,-7.125) J18.6@-55.296,-7.125
  Bottom Layer w0.2: v1(-56.706,-7.125) R68.1@-55.296,-7.125
NetJ19_1: J19.1 Q19.3 | length 3.1
  Top Layer w0.2: v1(-81.449,-2.125) J19.1@-79.896,-2.125
  Bottom Layer w0.2: v1(-81.449,-2.125) Q19.3@-79.889,-2.125
NetJ19_3: J19.3 U5.77 | length 136
  Top Layer w0.2: J19.3@-79.896,-4.125 -79.49,-4.125 -75.794,-7.82 -62.096,-7.82 -54.075,0.2 -28.625,0.2 -28,0.825 -25.616,0.825 -25.316,0.525 v1(-24.781,0.525)
  Bottom Layer w0.2: v1(-24.781,0.525) -20.297,0.525 -16.872,3.95 3.474,3.95 7.349,0.075 8.2,0.075 8.575,-0.3 23.688,-0.3 25.288,1.3 25.688,1.3 25.994,0.994 25.994,-0.894 27.8,-2.7 30.3,-2.7 30.925,-2.075 39.43,-2.075 41.905,-4.55 U5.77@43.025,-4.55
NetJ19_4: J19.4 R73.1 | length 2.8
  Top Layer w0.2: v1(-73.706,-5.125) J19.4@-72.296,-5.125
  Bottom Layer w0.2: v1(-73.706,-5.125) R73.1@-72.296,-5.125
NetJ19_5: J19.5 U5.78 | length 134.9
  Top Layer w0.2: J19.5@-79.896,-6.125 -79.501,-6.52 -77.519,-6.52 -75.919,-8.12 -61.971,-8.12 -53.951,-0.1 -27.45,-0.1 v1(-26.925,0.425)
  Bottom Layer w0.2: v1(-26.925,0.425) -25.947,0.425 -22.097,4.275 3.573,4.275 7.473,0.375 23.938,0.375 25.163,1.6 25.812,1.6 26.294,1.119 26.294,-0.669 28.025,-2.4 30.075,-2.4 30.7,-1.775 39.554,-1.775 41.829,-4.05 U5.78@43.025,-4.05
NetJ19_6: J19.6 R76.1 | length 2.9
  Top Layer w0.2: v1(-73.706,-7.125) -73.668,-7.163 -72.334,-7.163 J19.6@-72.296,-7.125
  Bottom Layer w0.2: v1(-73.706,-7.125) R76.1@-72.296,-7.125
NetJ20_1: J20.1 Q20.3 | length 3.1
  Top Layer w0.2: v1(-98.456,-2.125) J20.1@-96.896,-2.125
  Bottom Layer w0.2: v1(-98.456,-2.125) Q20.3@-96.896,-2.125
NetJ20_3: J20.3 U5.86 | length 165.3
  Top Layer w0.2: J20.3@-96.896,-4.125 -96.501,-3.73 -93.295,-3.73 -91.291,-1.725 v1(-88.05,-1.725) ; v1(-86.681,7.5) -81.025,7.5 -74.95,1.425 -70.865,1.425 -70.265,0.825 -68.855,0.825 -67.755,-0.275 -62.921,-0.275 -59.896,2.75 -47.001,2.75 -40.776,8.975 -28.545,8.975 -27.045,7.475 -25.614,7.475 -17.649,-0.49 3.96,-0.49 4.85,0.4 30.05,0.4 30.625,-0.175 38.825,-0.175 39.425,0.425 44.952,0.425 v1(44.977,0.4)
  Bottom Layer w0.2: v1(-88.05,-1.725) -88.05,6.131 v1(-86.681,7.5) ; U5.86@43.025,-0.05 43.975,-0.05 44.425,0.4 v1(44.977,0.4)
NetJ20_4: J20.4 R74.1 | length 3
  Top Layer w0.2: v1(-90.775,-5.2) -89.371,-5.2 J20.4@-89.296,-5.125
  Bottom Layer w0.2: v1(-90.775,-5.2) -90.737,-5.162 -89.334,-5.162 R74.1@-89.296,-5.125
NetJ20_5: J20.5 U5.87 | length 165.9
  Top Layer w0.2: v1(-98.256,-6.125) J20.5@-96.896,-6.125 ; v1(-68.3,3.675) -68.3,4.688 v1@-68.025,4.963
  Bottom Layer w0.15: v1(-98.256,-6.125) -93.324,-6.125 -91.446,-4.247 -70.855,-4.247 -70.023,-3.415 -70.023,0.262 -69.375,0.91 -69.375,3.2 -68.9,3.675 v1(-68.3,3.675) ; v1(-68.025,5.1) -65.35,7.775 -57.013,7.775 -55.625,6.387 -45.912,6.387 -39.399,-0.125 -30.025,-0.125 -28.9,1 -28.9,4.342 -27.742,5.5 3.621,5.5 7.496,1.625 21.692,1.625 22.042,1.275 23.508,1.275 25.008,2.775 26.06,2.775 27.194,1.641 27.194,-0.17 28.351,-1.327 29.373,-1.327 29.825,-0.875 39.625,-0.875 40.95,0.45 U5.87@43.025,0.45
NetJ20_6: J20.6 R78.1 | length 2.8
  Top Layer w0.2: v1(-90.706,-7.125) J20.6@-89.296,-7.125
  Bottom Layer w0.2: v1(-90.706,-7.125) R78.1@-89.296,-7.125
NetJ21_1: J21.1 Q21.3 | length 3.1
  Top Layer w0.2: v1(-115.431,-2.125) J21.1@-113.896,-2.125
  Bottom Layer w0.2: v1(-115.431,-2.125) Q21.3@-113.871,-2.125
NetJ21_3: J21.3 U5.89 | length 173.5
  Top Layer w0.2: v1(-115.256,-4.125) J21.3@-113.896,-4.125
  Bottom Layer w0.15: v1(-115.256,-4.125) -114.237,-4.125 -112.723,-2.612 -112.723,-1.638 -112.814,-1.548 -112.814,-0.813 -111.026,0.975 -108.45,0.975 -106.475,-1 -96.875,-1 -87.5,8.375 -56.715,8.375 -55.328,6.987 -41.638,6.987 -40.725,7.9 -29.043,7.9 -27.743,6.6 3.369,6.6 6.744,3.225 23.632,3.225 24.582,4.175 26.276,4.175 28.748,1.703 30.776,-0.325 39.326,-0.325 41.101,1.45 U5.89@43.025,1.45
NetJ21_4: J21.4 R75.1 | length 2.8
  Top Layer w0.2: v1(-107.706,-5.125) J21.4@-106.296,-5.125
  Bottom Layer w0.2: v1(-107.706,-5.125) R75.1@-106.296,-5.125
NetJ21_5: J21.5 U5.90 | length 177
  Top Layer w0.2: v1(-115.256,-6.125) J21.5@-113.896,-6.125
  Bottom Layer w0.15: v1(-115.256,-6.125) -115.656,-5.725 -115.656,-3.959 -114.92,-3.223 -113.76,-3.223 -113.023,-2.487 -113.023,-1.763 -113.114,-1.672 -113.114,-0.688 -111.15,1.275 -108.25,1.275 -106.275,-0.7 -97.425,-0.7 -87.375,9.35 -55.314,9.35 -53.252,7.287 -41.763,7.287 -40.85,8.2 -28.919,8.2 -27.619,6.9 14.507,6.9 17.882,3.525 23.508,3.525 24.458,4.475 26.4,4.475 26.7,4.175 30.922,-0.046 39.181,-0.046 41.177,1.95 U5.90@43.025,1.95
NetJ21_6: J21.6 R80.1 | length 3
  Top Layer w0.2: v1(-107.781,-7.125) J21.6@-106.296,-7.125
  Bottom Layer w0.2: v1(-107.781,-7.125) R80.1@-106.296,-7.125
NetJ22_1: J22.1 Q22.3 | length 2.8
  Top Layer w0.2: v1(-132.025,-2.825) -131.596,-2.825 J22.1@-130.896,-2.125
  Bottom Layer w0.2: v1(-132.025,-2.825) -131.671,-2.471 -131.611,-2.471 -131.264,-2.125 Q22.3@-130.896,-2.125
NetJ22_3: J22.3 U5.92 | length 194.6
  Top Layer w0.2: v1(-132.256,-4.125) J22.3@-130.896,-4.125
  Bottom Layer w0.15: v1(-132.256,-4.125) -132.656,-4.525 -132.656,-6.291 -132.422,-6.525 -127.171,-6.525 -118.771,1.875 -107.875,1.875 -105.975,-0.025 -97.625,-0.025 -87.65,9.95 -55.066,9.95 -53.003,7.887 -42.163,7.887 -41.225,8.825 -27.97,8.825 -26.92,7.775 25.55,7.775 28.05,5.275 28.05,3.537 31.112,0.475 38.854,0.475 41.329,2.95 U5.92@43.025,2.95
NetJ22_4: J22.4 R85.1 | length 3
  Top Layer w0.2: v1(-124.781,-5.125) J22.4@-123.296,-5.125
  Bottom Layer w0.2: v1(-124.781,-5.125) R85.1@-123.296,-5.125
NetJ22_5: J22.5 U5.93 | length 190.2
  Top Layer w0.2: v1(-132.256,-6.125) J22.5@-130.896,-6.125
  Bottom Layer w0.2: v1(-132.256,-6.125) -127.771,-6.125 -119.471,2.175 -107.75,2.175 -105.85,0.275 -97.85,0.275 -87.875,10.25 -54.941,10.25 -52.879,8.187 -42.338,8.187 -41.4,9.125 -27.846,9.125 -26.796,8.075 33.525,8.075 33.971,7.629 37.535,7.629 37.833,7.331 37.833,4.817 39.325,3.325 41.659,3.325 41.784,3.45 U5.93@43.025,3.45
NetJ22_6: J22.6 R88.1 | length 3
  Top Layer w0.2: v1(-124.781,-7.125) J22.6@-123.296,-7.125
  Bottom Layer w0.2: v1(-124.781,-7.125) R88.1@-123.296,-7.125
NetJ23_1: J23.1 Q23.3 | length 3.3
  Top Layer w0.2: v1(-149.075,-2.75) -149.075,-2.709 -148.593,-2.228 -148.296,-2.525 J23.1@-147.896,-2.125
  Bottom Layer w0.2: v1(-149.075,-2.75) -148.575,-2.75 -148.458,-2.633 -148.458,-2.304 -148.278,-2.125 Q23.3@-147.936,-2.125
NetJ23_3: J23.3 U5.97 | length 203.1
  Top Layer w0.2: v1(-149.256,-4.125) J23.3@-147.896,-4.125
  Bottom Layer w0.2: v1(-149.256,-4.125) -135.446,-4.125 -120.471,10.85 -51.581,10.85 -50.506,9.775 21.45,9.775 22.375,8.85 34.3,8.85 34.888,8.262 37.777,8.262 38.436,7.603 38.436,5.934 38.92,5.45 U5.97@43.025,5.45
NetJ23_4: J23.4 R86.1 | length 2.8
  Top Layer w0.2: v1(-141.706,-5.125) J23.4@-140.296,-5.125
  Bottom Layer w0.2: v1(-141.706,-5.125) R86.1@-140.296,-5.125
NetJ23_5: J23.5 U5.101 | length 207.7
  Top Layer w0.2: v1(-149.256,-6.125) J23.5@-147.896,-6.125
  Bottom Layer w0.2: v1(-149.256,-6.125) -149.956,-5.425 -149.956,-2.019 -146.862,1.075 -131.259,1.075 -121.184,11.15 -51.457,11.15 -50.457,10.15 34.325,10.15 35.25,9.225 37.719,9.225 39.052,7.892 39.052,6.644 39.396,6.3 41.702,6.3 42.034,6.632 42.034,7.134 42.35,7.45 U5.101@43.025,7.45
NetJ23_6: J23.6 R90.1 | length 2.8
  Top Layer w0.2: v1(-141.706,-7.125) J23.6@-140.296,-7.125
  Bottom Layer w0.2: v1(-141.706,-7.125) R90.1@-140.296,-7.125
NetJ24_1: J24.1 Q24.3 | length 2.9
  Top Layer w0.2: J24.1@-164.896,-2.125 -164.556,-1.785 v1(-164.556,-0.875)
  Bottom Layer w0.2: Q24.3@-164.921,-2.125 -164.736,-2.125 -164.556,-1.946 v1(-164.556,-0.875)
NetJ24_3: J24.3 U5.104 | length 228.4
  Top Layer w0.2: v1(-166.256,-4.125) J24.3@-164.896,-4.125
  Bottom Layer w0.2: v1(-166.256,-4.125) -165.856,-4.525 -165.856,-6.291 -166.091,-6.525 -166.422,-6.525 -166.956,-5.991 -166.956,-2.285 -162.121,2.55 -132.373,2.55 -121.573,13.35 -44.847,13.35 -42.647,11.15 37.099,11.15 40.175,8.074 40.175,7.759 40.334,7.6 40.879,7.6 42.229,8.95 U5.104@43.025,8.95
NetJ24_4: J24.4 R87.1 | length 2.8
  Top Layer w0.2: v1(-158.706,-5.125) J24.4@-157.296,-5.125
  Bottom Layer w0.2: v1(-158.706,-5.125) R87.1@-157.296,-5.125
NetJ24_5: J24.5 U5.103 | length 225.1
  Top Layer w0.2: v1(-166.256,-6.125) J24.5@-164.896,-6.125
  Bottom Layer w0.2: v1(-166.256,-6.125) -166.656,-5.725 -166.656,-2.409 -161.997,2.25 -132.249,2.25 -121.449,13.05 -44.971,13.05 -42.771,10.85 34.55,10.85 35.475,9.925 37.872,9.925 39.5,8.297 39.5,8.292 39.66,8.132 39.66,7.028 39.763,6.925 40.836,6.925 42.361,8.45 U5.103@43.025,8.45
NetJ24_6: J24.6 R92.1 | length 3
  Top Layer w0.2: v1(-158.781,-7.125) J24.6@-157.296,-7.125
  Bottom Layer w0.2: v1(-158.781,-7.125) R92.1@-157.296,-7.125
NetJ25_1: J25.1 Q25.3 | length 1
  Bottom Layer w0.2: Q25.3@-181.896,-2.125 -181.633,-2.125 -181.454,-1.946 -181.454,-1.929 v1(-181.1,-1.575)
NetJ25_3: J25.3 U5.111 | length 242.5
  Top Layer w0.2: v1(-183.256,-4.125) J25.3@-181.896,-4.125
  Bottom Layer w0.2: v1(-183.256,-4.125) -183.256,-2.275 -165.281,15.7 -14.36,15.7 -12.96,14.3 -2.53,14.3 -2.057,14.773 8.372,14.773 9.153,13.992 9.484,13.992 9.493,14 43.985,14 44.61,14.625 45.25,14.625 45.994,13.881 U5.111@45.994,12.919
NetJ25_4: J25.4 R97.1 | length 2.8
  Top Layer w0.2: v1(-175.706,-5.125) J25.4@-174.296,-5.125
  Bottom Layer w0.2: v1(-175.706,-5.125) R97.1@-174.296,-5.125
NetJ25_5: J25.5 U5.113 | length 246.4
  Top Layer w0.2: v1(-183.256,-6.125) J25.5@-181.896,-6.125
  Bottom Layer w0.2: v1(-183.256,-6.125) -183.656,-5.725 -183.656,-3.39 -183.556,-3.29 -183.556,-2.151 -165.405,16 0.969,16 1.694,16.725 44.709,16.725 46.994,14.44 U5.113@46.994,12.919
NetJ25_6: J25.6 R100.1 | length 3
  Top Layer w0.2: v1(-175.781,-7.125) -175.756,-7.15 -174.321,-7.15 J25.6@-174.296,-7.125
  Bottom Layer w0.2: v1(-175.781,-7.125) R100.1@-174.296,-7.125
NetJ26_1: J26.1 Q27.3 | length 2.7
  Top Layer w0.2: v1(-200.25,-2.15) -198.921,-2.15 J26.1@-198.896,-2.125
  Bottom Layer w0.2: v1(-200.25,-2.15) -198.921,-2.15 Q27.3@-198.896,-2.125
NetJ26_3: J26.3 U5.115 | length 270.9
  Top Layer w0.2: v1(-200.256,-4.125) J26.3@-198.896,-4.125
  Bottom Layer w0.2: v1(-200.256,-4.125) -201.324,-3.057 -201.324,10.023 -194.747,16.6 0.721,16.6 1.446,17.325 44.957,17.325 47.994,14.288 U5.115@47.994,12.919
NetJ26_4: J26.4 R98.1 | length 2.8
  Top Layer w0.2: v1(-192.706,-5.125) J26.4@-191.296,-5.125
  Bottom Layer w0.2: v1(-192.706,-5.125) R98.1@-191.296,-5.125
NetJ26_5: J26.5 U5.116 | length 274.1
  Top Layer w0.2: v1(-200.256,-6.125) J26.5@-198.896,-6.125
  Bottom Layer w0.2: v1(-200.256,-6.125) -201.624,-4.757 -201.624,10.147 -194.871,16.9 0.597,16.9 1.322,17.625 45.082,17.625 48.494,14.213 U5.116@48.494,12.919
NetJ26_6: J26.6 R102.1 | length 2.8
  Top Layer w0.2: v1(-192.706,-7.125) J26.6@-191.296,-7.125
  Bottom Layer w0.2: v1(-192.706,-7.125) R102.1@-191.296,-7.125
NetJ27_1: J27.1 Q26.3 | length 3.2
  Top Layer w0.2: v1(-217.506,-2.175) -215.946,-2.175 J27.1@-215.896,-2.125
  Bottom Layer w0.2: v1(-217.506,-2.175) -217.5,-2.169 -215.915,-2.169 Q26.3@-215.909,-2.162